# Altium PCB OTPCB.PcbDoc (part 2 of 3) (continued)
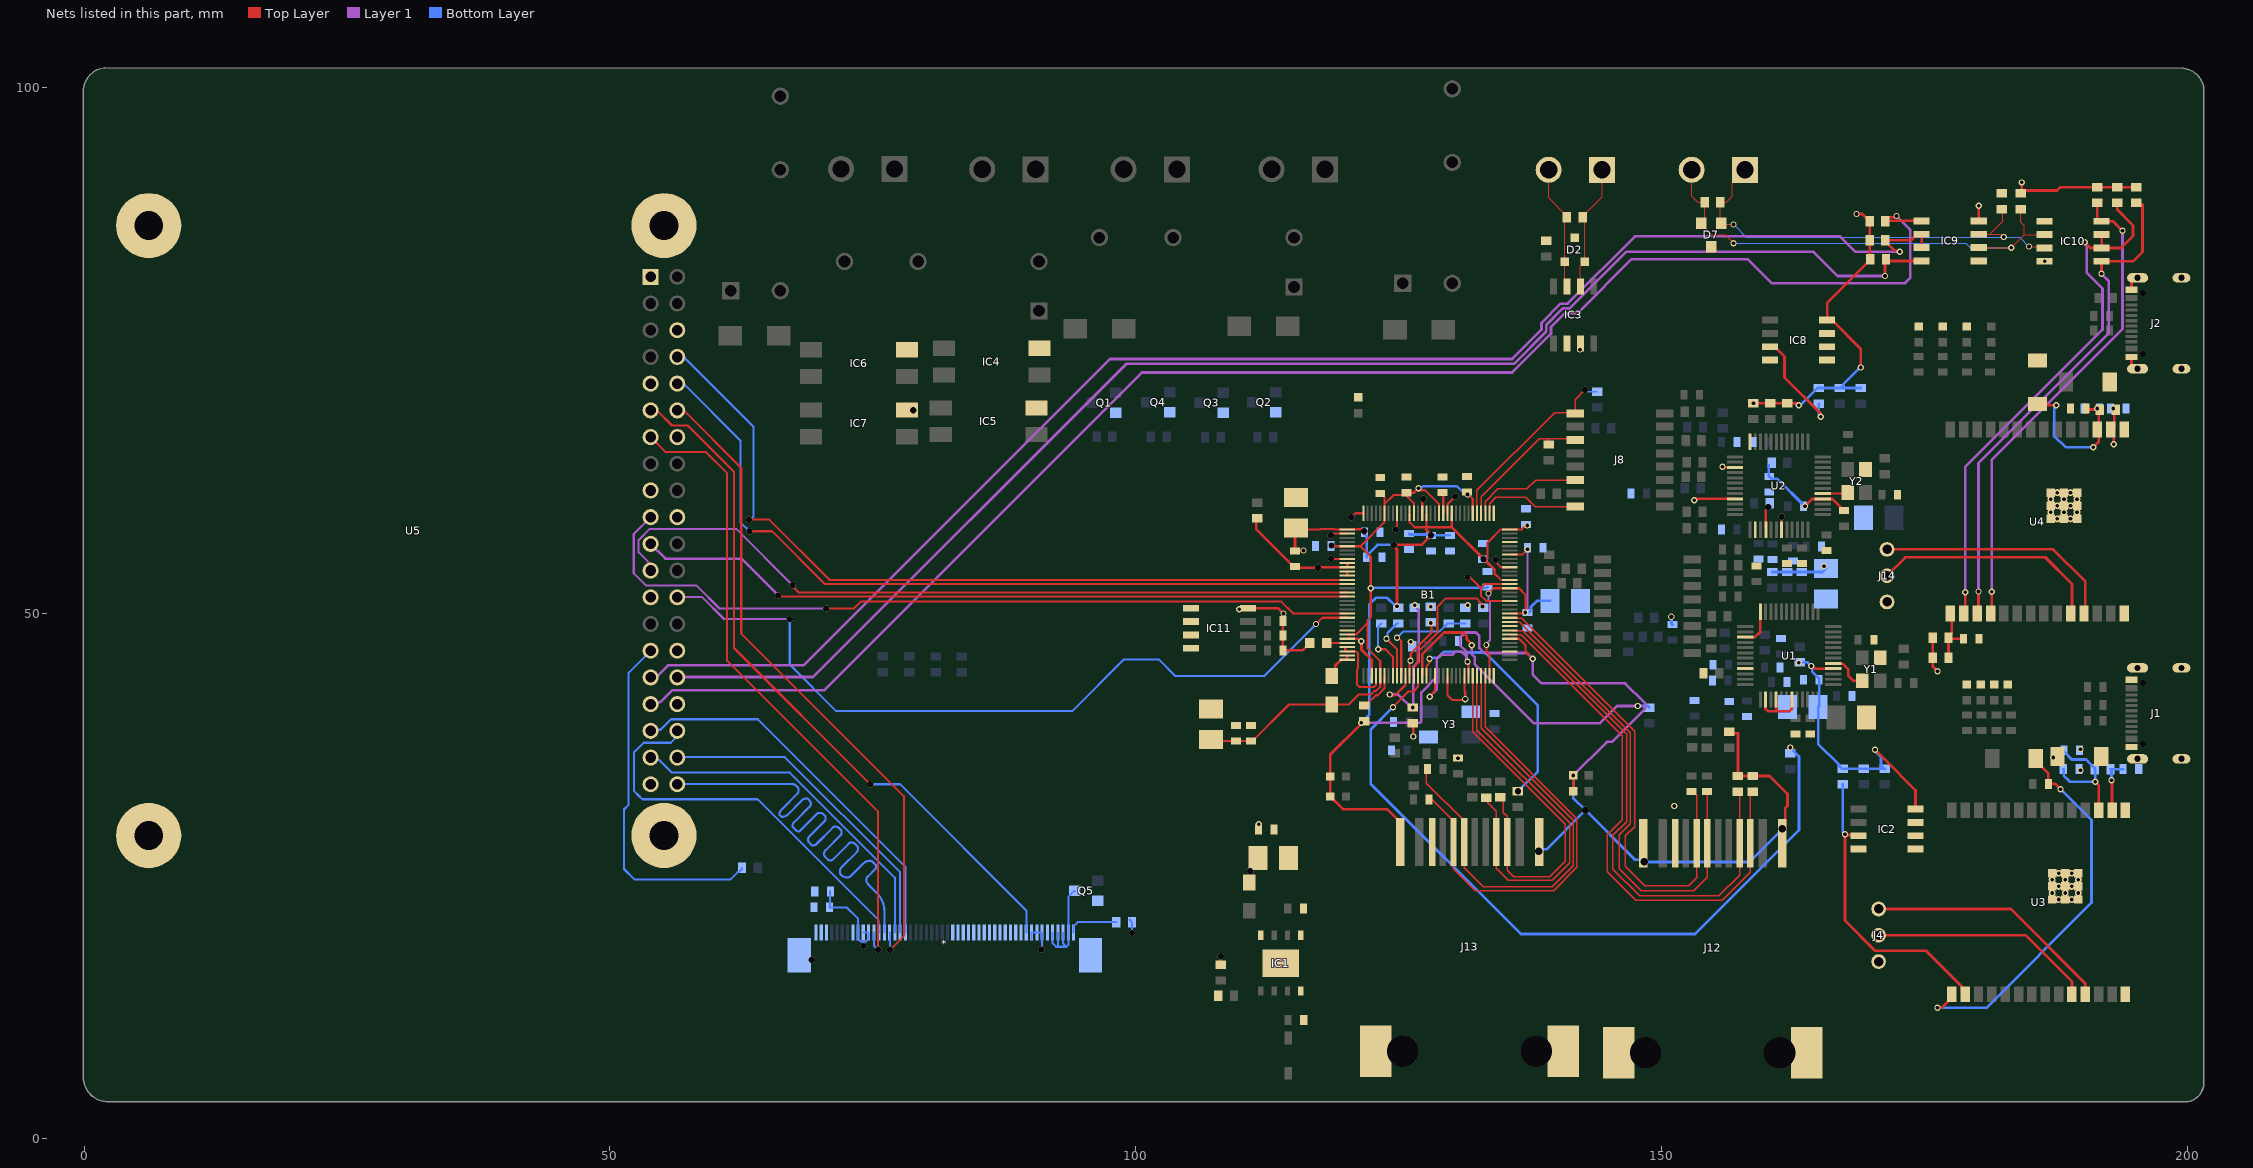
[diagram p4: the nets of this part, all layers, seen from the top]
## Nets (pads, with @x,y where several pads share a name; then routed paths per layer and width w, separated by ;. In a path a pad name is that pad's centre, name@x,y a point inside that pad or via, vN(x,y) a via of type N, cw(c..) or ccw(c..) an arc to the next point about the centre after c; other vN are vias at no path point) (continued)
  Bottom Layer w0.2: C79.1@70.94,23.57 70.94,22.07 C80.1@70.9,22.03 70.93,22 72.554,22 73.61,20.944 *.42@73.61,19.639 73.61,19.039 73.87,18.78 74.11,18.78 ; *.41@74.108,19.642 *.41@74.108,19.642 *.40@74.61,19.64 74.61,19.04 74.35,18.78 74.11,18.78 ; v2(74.12,18.35) 74.11,18.36 74.11,18.78 ; *.9@90.11,19.04 *.9@90.11,19.64 *.8@90.61,19.64 *.7@91.11,19.64 91.11,18.09 v2(91.03,18.01) ; R102.2@99.42,20.86 R102.2@99.66,20.62 v2(99.66,19.59)
  Bottom Layer w0.254: R19.2@160.216,64.066 160.216,63.056 C37.1@160.266,63.006 160.474,62.798 161.009,62.798 163.641,60.166 v1(163.666,60.166) ; R18.2@160.566,53.916 R23.2@161.966,53.916 R26.2@163.366,53.916 165.316,53.916 C74.1@165.666,54.266 ; v1(163.066,45.291) 163.091,45.316 163.911,45.316 164.261,44.966 v1(164.266,44.966) 164.352,44.881 164.352,44.456 165.006,43.801 165.006,41.156 C36.1@164.916,41.066 164.916,37.566 166.893,35.589 166.893,35.489 167.166,35.216 R10.1@167.266,35.216 R8.1@171.166,35.216 ; v1(163.066,69.766) 163.152,69.852 163.302,69.852 164.866,71.416 R87.1@164.966,71.416 R85.1@166.966,71.416 R85.1@167.066,71.416 ; v1@168.916,73.366 167.339,71.789 167.339,71.689 R85.1@167.066,71.416 ; R84.1@168.966,71.416 R85.1@167.066,71.416 ; v1(170.319,37.014) 170.319,36.893 170.893,36.319 170.893,35.489 R8.1@171.166,35.216 ; R8.1@171.266,35.216 R8.1@171.166,35.216 ; v1(192.816,34.116) 192.816,35.066 R43.1@192.716,35.166 C10.2@193.926,35.166
  other v1: 111.714,29.916 126.166,47.266 109.866,50.366 165.466,54.466 192.966,69.466 142.266,75.066 186.454,83.461
  other v2: 117.341,54.316
CAN_N: D2.2 IC3.6 J3.1 R11.1 | length 12.1
  Top Layer w0.077: IC3.6@142.301,81.078 142.301,83.006 D2.2@142.716,83.421 142.716,87.466 R11.1@142.516,87.666 142.516,87.766 144.366,89.616 J3.1@144.366,92.166
CAN_P: D2.1 IC3.7 J3.2 R11.2 | length 12
  Top Layer w0.077: J3.2@139.286,92.166 139.286,89.496 141.016,87.766 R11.2@141.016,87.666 140.816,87.466 D2.1@140.816,83.421 140.816,81.293 IC3.7@141.031,81.078
DS_CLK: *.37 U5.40 | length 54.7
  Bottom Layer w0.2: U5.40@56.97,33.77 67.221,33.77 cw(c67.221,32.951) 67.8,33.53 cw(c67.438,33.168) 67.95,33.168 67.95,33.12 cw(c67.515,33.12) 67.823,32.813 66.335,31.325 ccw(c66.83,30.83) 66.13,30.83 66.281,30.679 ccw(c66.4,30.799) 66.4,30.63 ccw(c66.4,31.354) 66.912,30.842 68.28,32.21 cw(c68.69,31.8) 68.69,32.38 68.7,32.38 cw(c68.7,32.139) 68.871,32.309 69,32.18 cw(c68.71,31.89) 69.12,31.89 cw(c68.685,31.89) 68.993,31.583 67.537,30.127 ccw(c67.964,29.7) 67.36,29.7 67.36,29.69 67.424,29.626 67.477,29.573 67.792,29.278 67.9,29.22 ccw(c67.9,29.486) 68.088,29.298 69.7,30.91 cw(c69.917,30.693) 69.917,31 70.02,31 cw(c70.02,30.59) 70.31,30.88 70.45,30.74 cw(c70.281,30.571) 70.52,30.571 70.52,30.45 cw(c70.182,30.45) 70.421,30.211 68.991,28.781 ccw(c69.333,28.44) 68.85,28.44 ccw(c69.212,28.44) 68.956,28.184 69.16,27.98 ccw(c69.305,28.125) 69.305,27.92 69.4,27.92 ccw(c69.4,28.21) 69.605,28.005 71.201,29.601 cw(c71.44,29.362) 71.44,29.7 cw(c71.44,29.169) 71.816,29.544 71.96,29.4 cw(c71.743,29.183) 72.05,29.183 72.05,29.09 cw(c71.809,29.09) 71.979,28.919 70.518,27.458 ccw(c70.877,27.1) 70.37,27.1 ccw(c70.805,27.1) 70.497,26.793 70.71,26.58 ccw(c70.951,26.821) 70.951,26.48 71,26.48 ccw(c71,26.746) 71.188,26.558 72.714,28.084 cw(c72.97,27.828) 72.97,28.19 cw(c72.97,27.683) 73.328,28.042 73.528,27.842 cw(c73.306,27.62) 73.62,27.62 cw(c73.137,27.62) 73.479,27.279 72.06,25.86 ccw(c72.469,25.45) 71.89,25.45 71.89,25.376 ccw(c72.266,25.376) 72,25.11 ccw(c72.579,25.689) 72.579,24.87 72.6,24.87 ccw(c72.6,25.329) 72.924,25.004 74.123,26.203 cw(c74.72,25.605) 74.72,26.45 cw(c74.72,26.064) 74.993,26.337 75.23,26.1 cw(c75.013,25.883) 75.32,25.883 75.32,25.73 74.517,24.927 ccw(c74.825,24.62) 74.39,24.62 ccw(c74.921,24.62) 74.546,24.244 75.366,23.424 cw(c73.57,21.628) 76.11,21.628 *.37@76.11,19.64
DS_CS: *.38 U5.36 | length 38.8
  Bottom Layer w0.2: U5.36@56.97,38.85 55.793,37.673 53.998,37.673 53.994,37.678 53.876,37.678 53.217,37.678 52.751,37.212 52.285,36.746 52.285,36.008 52.287,36.006 52.287,34.153 52.287,33.103 52.776,32.614 53.09,32.3 64.06,32.3 75.56,20.8 75.56,19.69 *.38@75.61,19.64
DS_DC_WRX: *.36 U5.12 | length 62.2
  Top Layer w0.2: U5.12@56.97,69.33 62.5,63.8 62.5,48.05 77.96,32.59 77.96,19.29 v2(76.66,17.99)
  Bottom Layer w0.2: *.36@76.61,19.64 76.635,19.615 76.635,18.015 v2(76.66,17.99)
DS_LED: R104.2 U5.29 | length 34
  Bottom Layer w0.2: U5.29@53.877,46.43 51.79,44.343 51.79,31.772 51.351,31.333 51.351,26.748 51.351,25.669 52.36,24.66 61.46,24.66 62.17,25.37 62.27,25.37 62.57,25.67 R104.2@62.57,25.77
DS_MISO: *.33 U5.35 | length 36.2
  Bottom Layer w0.2: U5.35@54.43,38.85 54.43,38.853 54.489,38.912 54.822,38.912 55.822,39.912 64.078,39.912 78.11,25.88 *.33@78.11,19.64
DS_MOSI: *.34 U5.38 | length 30.9
  Bottom Layer w0.2: U5.38@56.97,36.31 66.65,36.31 77.61,25.35 *.34@77.61,19.64
DS_RDX: *.35 U5.37 | length 32.8
  Bottom Layer w0.2: U5.37@54.43,36.31 54.43,36.076 54.489,36.017 54.723,36.017 55.908,34.832 67.118,34.832 77.11,24.84 *.35@77.11,19.64
DS_RES: *.10 U5.11 | length 66.8
  Top Layer w0.2: U5.11@54.43,69.33 55.908,67.852 57.41,67.852 61.81,63.452 61.81,46.69 v2(74.774,33.726)
  Bottom Layer w0.2: v2(74.774,33.726) 77.604,33.726 89.61,21.72 *.10@89.61,19.64
DS_TE: *.39 U5.13 | length 61.8
  Top Layer w0.2: U5.13@53.877,66.75 55.315,65.312 59.148,65.312 61.16,63.3 61.16,45.46 75.52,31.1 v2(75.52,17.98) ; U5.13@54.43,66.79 U5.13@54.454,66.766
  Bottom Layer w0.2: *.39@75.11,19.64 75.11,18.39 v2(75.52,17.98)
ESP_BOOT: C60.2 R45.2 R109.2 U4.15 | length 5.7
  Top Layer w0.254: R109.2@177.316,45.766 177.316,47.466 R45.2@177.416,47.566 ; U4.15@177.626,49.961 177.626,48.076 177.316,47.766 R45.2@177.316,47.666 R45.2@177.416,47.566 ; C60.2@178.726,47.566 R45.2@177.416,47.566
ESP_BOOT1: C7.2 S2.1 U3.15 | length 37.2
  Top Layer w0.254: v1(176.266,12.466) 176.631,12.466 177.626,13.461 U3.15@177.626,13.761 ; S2.1@185.616,36.166 185.616,35.941 186.806,34.751 C7.2@186.806,33.766 187.466,33.766 v1(187.966,33.266)
  Bottom Layer w0.254: v1(176.266,12.466) 180.924,12.466 190.92,22.463 190.92,30.312 v1(187.966,33.266)
ESP_EN: C65.2 C73.2 R107.2 S4.1 U4.3 | length 14.2
  Top Layer w0.254: S4.1@185.766,69.891 185.891,69.766 v1(187.566,69.766) ; C73.2@190.406,69.466 190.506,69.366 R107.2@191.716,69.366 191.596,69.246 191.596,67.461 191.596,66.296 v1(191.066,65.766)
  Bottom Layer w0.254: v1(187.566,69.766) 187.366,69.566 187.366,66.866 188.466,65.766 v1(191.066,65.766)
  other v1: 191.466,69.466
ESP_EN1: C6.2 C58.2 R43.2 S1.1 U3.3 | length 13
  Top Layer w0.254: v1(191.266,33.966) 191.596,33.636 U3.3@191.596,31.261
  Bottom Layer w0.254: v1(187.266,36.266) 187.746,36.746 188.078,36.746 C6.2@188.286,36.954 ; C58.2@188.226,35.166 188.266,35.126 188.266,34.566 188.866,33.966 v1(191.266,33.966) 191.266,35.116 R43.2@191.216,35.166 191.216,35.266 190.401,36.081 189.036,36.081 188.286,36.831 C6.2@188.286,36.954 ; C6.2@188.286,36.966 C6.2@188.286,36.954
ESP_RXD1: J4.2 U3.24 | length 21.4
  Top Layer w0.254: J4.2@170.666,19.366 184.666,19.366 189.056,14.976 U3.24@189.056,13.761
ESP_RXD2: J14.2 U4.24 | length 22.2
  Top Layer w0.254: J14.2@171.466,53.566 173.166,55.266 173.166,55.318 186.515,55.318 189.066,52.766 189.066,49.971 U4.24@189.056,49.961
ESP_TXD1: J4.1 U3.25 | length 23.6
  Top Layer w0.254: J4.1@170.666,21.866 183.242,21.866 190.304,14.804 190.304,13.784 U3.25@190.326,13.761
ESP_TXD2: J14.1 U4.25 | length 23.2
  Top Layer w0.254: J14.1@171.466,56.066 187.266,56.066 190.326,53.006 U4.25@190.326,49.961
ETH0_R_N: B1.94 C64.2 J13.P8 | length 43.2
  Top Layer w0.133: C64.2@127.775,32.263 128.21,32.263 130.236,30.236 J13.P8@130.236,28.241 130.236,25.696 132.311,23.622 139.767,23.622 141.961,25.816 141.961,30.459 133.243,39.178 133.243,44.005 B1.94@133.266,44.028
ETH0_R_P: B1.93 C67.2 J13.P7 | length 44.5
  Top Layer w0.133: C67.2@127.666,35.218 127.666,33.826 131.256,30.236 J13.P7@131.256,28.241 131.256,25.801 132.641,24.417 133.083,23.975 139.621,23.975 141.608,25.962 141.608,30.313 132.89,39.031 132.89,44.005 B1.93@132.866,44.028
ETH0_T_N: B1.92 J13.P4 R96.2 | length 36.6
  Top Layer w0.133: B1.92@132.466,44.028 132.466,38.888 141.275,30.079 141.275,26.25 139.634,24.609 135.45,24.609 134.316,25.742 J13.P4@134.316,28.241 134.316,31.141 133.491,31.966 133.491,32.291 R96.2@133.341,32.441
ETH0_T_P: B1.91 J13.P3 R100.1 | length 34.8
  Top Layer w0.133: B1.91@132.066,44.028 132.066,38.709 140.85,29.925 140.85,26.425 139.516,25.091 139.516,25.068 139.39,24.941 135.966,24.941 135.336,25.571 J13.P3@135.336,28.241 135.336,30.696 134.991,31.041 134.991,32.191 R100.1@134.691,32.491
ETH1_R_N: B1.107 C63.2 J12.P8 | length 46
  Top Layer w0.133: B1.107@135.604,49.566 135.638,49.533 136.725,49.533 147.466,38.791 147.466,29.691 146.591,28.816 146.591,25.916 148.416,24.091 152.616,24.091 153.361,24.836 J12.P8@153.361,28.116 153.361,32.666 153.001,33.026 C63.2@152.866,33.026 152.849,33.009 C63.2@152.849,32.899
ETH1_R_P: B1.106 C66.2 J12.P7 | length 47.4
  Top Layer w0.133: B1.106@135.604,49.166 B1.106@136.216,49.166 ; B1.106@136.216,49.133 136.542,49.133 147.064,38.611 147.064,29.973 146.016,28.925 146.016,25.691 148.111,23.597 153.071,23.597 154.381,24.906 J12.P7@154.381,28.116 154.381,33.011 C66.2@154.341,33.051 ; C66.2@154.206,33.051 C66.2@154.341,33.051 ; C66.2@154.476,33.051 C66.2@154.341,33.051
ETH1_T_N: B1.104 J12.P4 R95.2 | length 50.5
  Top Layer w0.133: B1.104@135.604,48.366 135.638,48.333 136.842,48.333 146.7,38.475 146.7,30.175 145.391,28.866 145.391,25.666 147.941,23.116 155.466,23.116 157.441,25.091 J12.P4@157.441,28.116 157.441,32.716 R95.2@157.141,33.016
ETH1_T_P: B1.103 J12.P3 R98.1 | length 51.8
  Top Layer w0.133: B1.103@135.604,47.966 136.664,47.966 146.3,38.33 146.3,30.35 144.866,28.916 144.866,25.416 147.591,22.691 155.816,22.691 158.461,25.336 J12.P3@158.461,28.116 158.461,32.786 R98.1@158.691,33.016
GND: *.6 *.11 *.12 *.13 *.14 *.15 *.16 *.17 *.18 *.19 *.20 *.21 *.22 *.23 *.24 *.43 *.48 *.49 *.50 *.51 *.52 B1.1 B1.12 B1.18 B1.24 B1.32 B1.34 B1.40 B1.43 B1.44 B1.57 B1.61 B1.62 B1.68 B1.85 B1.89 B1.96 B1.99 B1.105 B1.111 B1.115 B1.119 B1.125 C1.1 C2.1 C3.2 C4.1 C6.1 C9.1 C10.1 C11.2 C12.2 C13.2 C14.2 C15.2 C16.2 C17.2 C18.2 C19.2 C20.2 C21.2 C22.2 C23.2 C24.2 C25.2 C26.2 C27.2 C28.2 C29.2 C30.2 C31.2 C32.2 C33.2 C34.2 C35.2 C36.2 C37.2 C38.2 C39.2 C40.2 C41.2 C42.2 C43.2 C44.2 C45.2 C46.2 C47.2 C48.2 C49.2 C50.2 C51.2 C56.2 C57.2 C58.1 C59.2 C60.1 C61.2 C62.1 C65.1 C68.2 C69.2 C70.2 C71.2 C72.2 C73.1 C74.2 C75.2 C76.2 C77.2 C78.2 C79.2 C80.2 D2.3 D7.3 IC1.4 IC1.5 IC1.8 IC1.9 IC2.4 IC2.5 IC2.6 IC2.7 IC3.2 IC4.2 IC5.2 IC6.2 IC7.2 IC8.4 IC8.5 IC8.6 IC8.7 IC9.5 IC10.5 IC11.1 IC11.2 IC11.3 IC11.4 J1.A1_B12 J1.B1_A12 J1.S1 J1.S2 J1.S3 J1.S4 J2.A1_B12 J2.B1_A12 J2.S1 J2.S2 J2.S3 J2.S4 J4.3 J12.P10 J12.SH1 J12.SH2 J13.P10 J13.SH1 J13.SH2 J14.3 LED1.1 LED2.1 LED3.1 LED4.1 LED5.1 LED11.1 LED12.1 LED13.1 Q1.2 Q2.2 Q3.2 Q4.2 Q5.2 R7.2 R14.2 R33.2 R34.2 R63.1 R67.1 R70.1 R73.1 R103.2 S1.2 S3.2 S4.2 U1.3 U1.9 U1.14 U1.16 U1.19 U1.29 U1.48 U2.3 U2.9 U2.14 U2.16 U2.19 U2.29 U2.48 U3.1 U3.28 U3.29_1 U3.29_2 U3.29_3 U3.29_4 U3.29_5 U3.29_6 U3.29_7 U3.29_8 U3.29_9 U3.30_1 U3.30_2 U3.30_3 U3.30_4 U3.30_5 U3.30_6 U3.30_7 U3.30_8 U3.30_9 U3.30_10 U3.30_11 U3.30_12 U4.1 U4.28 U4.29_1 U4.29_2 U4.29_3 U4.29_4 U4.29_5 U4.29_6 U4.29_7 U4.29_8 U4.29_9 U4.30_1 U4.30_2 U4.30_3 U4.30_4 U4.30_5 U4.30_6 U4.30_7 U4.30_8 U4.30_9 U4.30_10 U4.30_11 U4.30_12 U5.6 U5.9 U5.14 U5.20 U5.25 U5.30 U5.34 U5.39 U5.S1 U5.S2 U5.S3 U5.S4 Y1.2 Y1.4 Y2.2 Y2.4 Y3.2 Y3.4 | length 63.5
  Top Layer w0.2: v2(118.566,57.416) 118.674,57.416 118.824,57.566 B1.34@120.128,57.566 ; v2(118.591,55.166) B1.40@120.128,55.166 ; B1.61@119.941,46.739 119.941,46.366 B1.62@120.128,46.366 120.99,46.366 121.166,46.191 121.166,44.766 121.041,44.641 121.041,43.216 121.267,42.991 122.691,42.991 122.866,43.167 B1.68@122.866,44.028 ; B1.44@120.128,53.566 B1.43@120.128,53.966 ; v2(120.516,59.116) 120.904,59.504 B1.32@121.666,59.504 ; v2(124.75,57.95) 124.75,58.058 124.866,58.174 B1.24@124.866,59.504 ; B1.18@127.266,59.504 127.266,60.683 127.366,60.783 v2(127.366,60.891) ; B1.85@129.666,44.028 129.666,42.184 130.1,41.75 131.275,41.75 v4(131.35,41.825) 131.35,42.562 131.266,42.646 B1.89@131.266,44.028 ; B1.12@129.666,59.504 129.666,60.366 130.391,61.091 v2(130.416,61.091) ; v2(131.566,53.441) 131.799,53.441 132.841,52.399 ; v2(134.241,55.091) 134.241,54.868 134.742,54.366 B1.119@135.604,54.366 ; B1.111@135.604,51.166 133.391,51.166 133.341,51.216 133.297,51.216 132.841,51.672 132.841,52.399 ; B1.115@135.604,52.766 133.208,52.766 132.841,52.399 ; U2.16@159.936,57.936 159.936,59.753 160.166,59.983 v2(160.166,60.091) ; v2@161.341,59.266 v2(161.436,59.171) U2.19@161.436,57.936 ; U2.29@165.366,61.366 167.616,61.366 Y2.4@167.716,61.466 ; U4.29_5@188.491,60.291 188.416,60.216 U4.29_5@188.566,60.066
  Top Layer w0.254: R67.1@126.375,39.525 126.4,39.5 v1(126.4,38.275) ; v1(153.141,60.741) 153.262,60.741 153.387,60.866 U2.9@157.006,60.866 ; v1@155.766,63.966 155.866,63.866 U2.3@157.006,63.866 ; U1.3@157.986,47.716 158.899,47.716 159.416,48.233 U1.48@159.416,50.146 ; U1.14@159.916,41.786 159.916,40.904 160.141,40.679 161.065,40.679 ; U1.16@160.916,41.786 160.929,41.773 160.929,40.815 161.065,40.679 ; U1.19@162.416,41.786 162.403,41.773 162.403,40.891 162.192,40.679 161.065,40.679 ; U1.29@166.346,45.216 166.359,45.203 167.242,45.203 167.764,44.681 167.764,44.069 168.266,43.566 Y1.4@169.116,43.566 ; Y2.4@167.666,61.416 Y2.4@167.716,61.466 ; U3.29_5@188.754,24.025 188.902,23.876 U3.30_4@188.902,23.827 ; U4.29_2@189.618,60.2 189.618,60.264 U4.29_2@189.666,60.216 ; J2.A1_B12@194.716,74.366 194.716,73.54 195.015,73.241 J2.S1@195.296,73.241 ; J2.B1_A12@194.716,80.766 194.716,81.593 195.015,81.891 J2.S2@195.296,81.891
  Bottom Layer w0.254: v4@150.966,49.566 150.966,49.006 C50.2@151.066,48.906
  other v1: 151.216,31.666 189.866,35.066 130.666,36.206 189.866,37.066 128.066,50.616 131.601,50.751 155.816,63.916
  other v2: 69.216,17.041 78.86,69.3
  other v4: 150.941,49.666
LM75NT1: IC8.3 R87.2 | length 10.2
  Top Layer w0.254: IC8.3@160.354,75.331 160.792,75.331 161.712,74.411 161.712,72.42 165.166,68.966 v1(165.166,68.666)
  Bottom Layer w0.254: R87.2@164.966,69.916 164.966,68.987 165.166,68.787 v1(165.166,68.666)
LM75NT2: IC2.3 R10.2 U3.16 | length 28.9
  Top Layer w0.254: IC2.3@168.754,28.831 168.687,28.899 167.534,28.899 v1(167.466,28.966) 167.466,20.766 170.339,17.893 175.157,17.893 178.573,14.477 178.573,14.084 U3.16@178.896,13.761
  Bottom Layer w0.254: R10.2@167.266,33.716 167.266,29.166 v1(167.466,28.966)
MAX_CTRL1: IC10.2 IC10.3 R90.2 U4.16 | length 51.9
  Top Layer w0.254: U4.16@178.896,49.961 v1(178.896,51.996) v1@178.966,52.066 ; v1(190.266,85.266) 190.801,84.731 IC10.2@191.878,84.731 ; IC10.3@191.878,86.001 IC10.2@191.878,84.731 ; R90.2@193.366,89.016 193.366,88.366 194.866,86.866 194.866,85.866 193.731,84.731 IC10.2@191.878,84.731
  Layer 1 w0.254: v1(178.896,51.996) 178.896,63.896 191.966,76.966 191.966,80.866 190.466,82.366 190.466,85.066 v1(190.266,85.266)
MAX_CTRL2: IC9.2 IC9.3 R89.2 U5.31 | length 143.4
  Top Layer w0.254: v1(172.666,84.366) 172.581,84.452 172.231,84.452 171.316,85.366 R89.2@171.316,85.466 173.759,85.466 174.329,86.036 IC9.2@174.766,86.036 IC9.3@174.766,84.766
  Layer 1 w0.254: U5.31@54.43,43.93 55.537,45.037 68.436,45.037 69.366,45.966 97.566,74.166 135.809,74.166 138.602,76.96 138.602,77.602 140.429,79.428 141.071,79.428 147.486,85.843 166.989,85.843 168.466,84.366 v1(172.666,84.366)
MAX_RX1: IC10.4 R93.2 U4.18 | length 46
  Top Layer w0.254: U4.18@181.436,49.961 v1(181.436,52.036) v1@181.466,52.066 ; R93.2@191.466,89.016 191.466,87.469 191.664,87.271 IC10.4@191.878,87.271 192.961,87.271 v1(193.866,86.366)
  Layer 1 w0.254: v1(181.436,52.036) 181.436,64.594 193.866,77.024 v1(193.866,86.366)
MAX_RX2: IC9.4 R92.2 U5.32 | length 137.2
  Top Layer w0.254: v1(171.266,82.066) 171.266,83.293 171.469,83.496 IC9.4@174.766,83.496
  Layer 1 w0.254: U5.32@56.97,43.93 69.33,43.93 99.112,73.712 135.997,73.712 139.056,76.772 139.056,77.414 140.617,78.974 141.259,78.974 146.651,84.366 164.466,84.366 166.766,82.066 v1(171.266,82.066)
MAX_TX1: IC10.1 R88.2 U4.17 | length 48.4
  Top Layer w0.254: U4.17@180.166,49.961 v1(180.166,52.066) ; v1(191.866,82.266) 191.866,83.449 IC10.1@191.878,83.461 194.861,83.461 195.766,84.366 195.766,88.866 195.316,88.866 R88.2@195.166,89.016
  Layer 1 w0.254: v1(180.166,52.066) 180.166,64.266 192.566,76.666 192.566,81.566 v1(191.866,82.266)
MAX_TX2: IC9.1 R86.2 U5.33 | length 149.5
  Top Layer w0.254: v1(172.366,87.766) 172.246,87.766 172.119,87.639 171.589,87.639 171.316,87.366 R86.2@171.316,87.266 171.356,87.306 IC9.1@174.766,87.306
  Layer 1 w0.254: U5.33@54.43,41.39 54.43,41.504 54.464,41.538 54.798,41.538 55.926,42.666 70.366,42.666 100.59,72.89 135.816,72.89 139.51,76.584 139.51,77.226 140.805,78.52 142.02,78.52 147.161,83.661 158.218,83.661 160.49,81.389 173.189,81.389 173.666,81.866 173.666,86.466 v1(172.366,87.766)
Net*_1: *.1 R102.1 | length 4.8
  Bottom Layer w0.2: *.1@94.108,19.642 94.108,20.242 94.486,20.62 R102.1@98.16,20.62
Net*_2: *.2 *.3 *.4 *.5 Q5.3 | length 11.1
  Bottom Layer w0.2: *.5@92.11,19.64 92.11,18.61 92.45,18.27 ; *.4@92.61,19.64 92.61,18.43 92.45,18.27 ; *.3@93.11,19.64 93.11,18.58 93.42,18.27 ; Q5.3@94.22,23.59 94.17,23.59 93.61,23.03 *.2@93.61,19.64 93.61,18.46 93.42,18.27 ; 92.45,18.27 93.42,18.27
NetB1_2: B1.2 J8.16 | length 9.7
  Top Layer w0.133: B1.2@133.666,59.504 133.666,60.416 134.266,61.016 137.116,61.016 138.011,60.121 J8.16@141.801,60.121
NetB1_3: B1.3 J8.14 | length 10.5
  Top Layer w0.133: B1.3@133.266,59.504 B1.3@133.266,59.691 ; B1.3@133.291,59.716 B1.3@133.266,59.691 ; J8.14@141.801,62.661 138.067,62.661 137.216,61.811 134.46,61.811 133.266,60.616 B1.3@133.266,59.691
NetB1_4: B1.4 J8.11 R61.2 | length 13.4
  Top Layer w0.133: B1.4@132.866,59.504 132.866,61.066 138.391,66.591 139.266,66.591 ; R61.2@139.316,66.041 139.266,66.091 139.266,66.591 ; J8.11@141.801,66.471 141.681,66.591 139.266,66.591
NetB1_5: B1.5 J8.9 R62.1 | length 18.5
  Top Layer w0.133: B1.5@132.466,59.504 132.466,61.666 139.866,69.066 141.746,69.066 J8.9@141.801,69.011 141.801,69.066 141.801,70.301 v2(142.741,71.241)
  Bottom Layer w0.133: v2(142.741,71.241) 142.868,71.241 143.043,71.066 R62.1@143.916,71.066
NetB1_6: B1.6 B1.14 B1.20 B1.27 B1.37 B1.58 B1.69 B1.95 B1.108 B1.114 B1.122 C27.1 C28.1 C29.1 C30.1 C31.1 C32.1 C33.1 C35.1 C75.1 C76.1 C78.1 L2.2 | length 97
  Top Layer w0.2: C78.1@107.166,37.966 107.306,37.826 C75.1@109.566,37.826 C76.1@110.966,37.826 111.101,37.826 114.591,41.316 L2.2@118.666,41.316 120.291,41.316 121.241,42.266 122.366,42.266 122.691,42.591 122.856,42.591 123.266,43.001 B1.69@123.266,44.028 123.266,45.266 123.274,45.274 123.274,45.44 122.05,46.663 122.05,49.026 ; v2(118.641,56.441) 118.716,56.366 B1.37@120.128,56.366 121.39,56.366 ; B1.58@120.12,47.966 B1.58@120.128,47.966 120.99,47.966 122.05,49.026 ; C31.1@123.266,61.401 123.401,61.401 123.636,61.166 123.636,61.031 123.666,61.001 123.666,60.366 ; B1.20@126.466,59.504 126.466,60.466 125.699,61.234 125.691,61.241 124.541,61.241 123.666,60.366 ; v1@126.918,61.64 126.97,61.691 127.541,61.691 128.866,60.366 B1.14@128.866,59.504 ; 131.866,61.066 132.066,60.866 B1.6@132.066,59.504 ; v1(133.366,46.966) 133.366,46.351 133.666,46.051 B1.95@133.666,44.028 ; v1(133.566,51.866) 134.066,52.366 B1.114@135.604,52.366 136.466,52.366 137.066,51.766 v1(137.066,50.066) ; B1.108@135.604,49.966 136.766,49.966 ; B1.122@135.604,55.566 136.766,55.566 v1(137.266,56.066) ; 121.39,56.366 122.366,55.39 122.366,49.619 122.05,49.303 122.05,49.026 ; 121.39,56.366 123.666,58.643 B1.27@123.666,59.504 123.666,60.366
  Top Layer w0.254: v2(118.641,56.441) 118.735,56.441 v2@118.81,56.366 ; C28.1@125.766,61.451 125.774,61.459 126.484,61.459 v1(126.916,61.891)
  Layer 1 w0.2: v1(133.366,46.966) 133.366,47.102 133.716,47.452 133.716,51.036 133.566,51.186 v1(133.566,51.866) ; 137.266,50.402 v1(137.266,56.066)
  Bottom Layer w0.2: v1@126.866,61.691 126.965,61.691 127.34,62.066 130.566,62.066 v1@131.566,61.066
  Bottom Layer w0.254: v1(122.366,52.366) 122.426,52.426 133.406,52.426 C29.1@133.466,52.486 ; v1(137.066,50.066) 137.411,50.066 137.609,50.264 137.609,50.609 138.166,51.166 C35.1@139.416,51.166
  other v1: 131.566,61.291
NetB1_11: B1.11 B1.17 B1.21 B1.33 B1.82 B1.90 B1.102 B1.116 B1.128 C39.1 C40.1 C41.1 C42.1 C43.1 C44.1 C45.1 C77.1 F3.2 J12.P1 J12.P12 J13.P1 J13.P12 LED6.2 LED7.2 LED8.2 LED9.2 R69.1 R78.1 R95.1 R98.2 R99.1 | length 191.2
  Top Layer w0.2: C77.1@115.266,58.116 115.416,57.966 117.573,57.966 117.623,58.016 118.879,58.016 118.929,57.966 B1.33@120.128,57.966 121.041,57.966 ; B1.21@126.066,59.504 126.066,58.643 126.542,58.166 127.666,58.166 ; 127.666,57.925 127.666,58.166 ; B1.17@127.666,59.504 127.666,58.166 ; v1(127.991,42.041) 127.991,42.117 128.466,42.592 128.466,43.288 B1.82@128.466,44.028 ; B1.11@130.066,59.504 130.066,58.266 129.966,58.166 127.666,58.166 ; v1(131.565,45.368) 131.565,45.259 131.666,45.158 B1.90@131.666,44.028 ; v2@133.285,54.986 133.466,55.166 133.466,56.69 134.742,57.966 B1.128@135.604,57.966 136.741,57.966 137.106,58.331 v1(137.241,58.331) ; 134.135,54.136 134.135,53.774 134.742,53.166 B1.116@135.604,53.166 ; B1.102@135.604,47.566 136.466,47.566 137.078,46.955 137.078,46.355 v1(137.766,45.666)
  Top Layer w0.254: C77.1@115.266,58.116 115.166,58.016 F3.2@115.166,55.906 115.196,55.936 115.936,55.936 v1(115.966,55.966) ; 121.041,57.966 121.473,57.966 121.648,57.791 v2(121.741,57.791) ; v1(121.466,39.566) 121.466,39.516 118.516,36.566 LED7.2@118.516,34.466 LED8.2@118.516,32.566 119.716,31.366 123.926,31.366 125.156,30.136 J13.P12@125.156,28.241 ; v1(124.866,50.666) 124.866,56.073 124.541,56.398 v2(124.541,56.491) 127.176,56.491 v2(128.091,57.406) 128.091,57.5 127.666,57.925 ; 130.066,58.266 130.066,58.205 133.285,54.986 134.135,54.136 ; v1(131.565,45.368) 131.565,45.247 v1@131.666,45.146 ; LED9.2@141.616,33.066 v1(141.616,34.566) ; R99.1@156.466,38.716 156.615,38.568 157.293,38.568 157.293,36.272 157.291,36.27 R95.1@157.291,34.516 R98.2@158.691,34.516 160.299,34.516 161.993,32.822 161.993,31.663 161.779,31.449 J12.P1@161.779,29.491
  Layer 1 w0.2: v1(127.991,42.041) 128.639,42.689 128.639,43.418
  Layer 1 w0.254: v1(121.466,39.566) 127.026,39.566 127.175,39.715 127.175,42.475 128.639,43.939 ; 128.639,43.418 128.639,43.939 ; 131.466,45.947 131.466,46.332 130.871,46.927 130.871,47.672 131.366,48.166 132.366,48.166 132.689,47.843 132.689,46.686 133.156,46.219 137.214,46.219 v1(137.766,45.666) 137.766,44.166 138.608,43.325 146.565,43.325 148.443,41.447 148.443,40.886 145.326,37.769 144.819,37.769 v1(141.616,34.566) ; v1(131.565,45.368) 131.48,45.453 131.48,45.86 130.997,46.343 130.436,46.343 130.136,46.043 129.036,46.043 128.639,45.647 128.639,43.939
  Bottom Layer w0.254: v1(121.466,39.566) 122.209,40.309 122.209,50.809 122.866,51.466 123.916,51.466 124.716,50.666 v1(124.866,50.666) ; v2(121.741,57.791) 121.741,57.566 121.976,57.331 C39.1@121.976,55.451 ; C39.1@121.976,55.316 C39.1@121.976,55.451 ; v2(124.541,56.491) 123.016,56.491 C39.1@121.976,55.451 ; C40.1@126.016,57.556 126.091,57.481 128.016,57.481 v2(128.091,57.406) C42.1@129.891,57.406 ; v3(138.341,27.341) 138.536,27.536 139.061,27.536 v3(142.791,31.266) ; v1(141.616,34.566) 141.616,32.441 v3(142.791,31.266) ; v3(161.516,29.491) 158.366,26.341 v3(148.366,26.341) 148.172,26.536 147.522,26.536 v3(142.791,31.266)
  other v2: 133.091,55.116
NetB1_13: B1.13 R63.2 | length 1.7
  Top Layer w0.2: B1.13@129.266,59.504 R63.2@129.266,61.226
NetB1_45: B1.45 U5.8 | length 77.8
  Top Layer w0.2: v2(63.227,58.893) 65.167,58.893 70.894,53.166 B1.45@120.128,53.166
  Bottom Layer w0.2: U5.8@56.97,74.41 63.666,67.714 63.666,59.166 63.393,58.893 v2(63.227,58.893)
NetB1_46: B1.46 U5.10 | length 75.6
  Top Layer w0.2: v2(63.28,57.79) 65.44,57.79 70.464,52.766 B1.46@120.128,52.766
  Bottom Layer w0.2: U5.10@56.97,71.87 62.42,66.42 62.42,58.65 v2(63.28,57.79)
NetB1_48: B1.48 U5.23 | length 74
  Top Layer w0.2: v2(67.37,52.66) 67.37,52.552 67.955,51.966 B1.48@120.128,51.966
  Layer 1 w0.2: U5.23@54.43,54.09 52.789,55.731 52.73,55.79 52.73,56.906 cw(c52.93,56.905) 52.738,56.96 53.798,58.02 62.01,58.02 v2(67.37,52.66)
NetB1_49: B1.49 U5.21 | length 68.3
  Top Layer w0.2: v2(66.02,51.68) 66.097,51.603 66.3,51.603 66.337,51.566 B1.49@120.128,51.566
  Layer 1 w0.254: U5.21@53.877,56.59 55.288,55.179 62.521,55.179 v2(66.02,51.68)
NetB1_53: B1.53 U5.19 | length 76
  Top Layer w0.2: v2(70.58,50.44) 73.205,50.44 73.862,51.096 113.855,51.096 114.985,49.966 B1.53@120.128,49.966
  Layer 1 w0.2: U5.19@53.877,59.13 52.28,57.533 52.28,53.79 53.458,52.612 58.258,52.612 60.43,50.44 v2(70.58,50.44)
NetB1_54: B1.54 U5.26 | length 75.2
  Top Layer w0.2: v1(117.166,48.966) 117.766,49.566 B1.54@120.128,49.566
  Layer 1 w0.2: U5.26@56.97,51.55 58.754,51.55 60.854,49.45 v2(67.11,49.45)
  Bottom Layer w0.2: v2(67.11,49.45) 67.11,45.12 71.55,40.68 93.97,40.68 98.9,45.61 102.2,45.61 103.8,44.01 112.21,44.01 v1(117.166,48.966)
NetB1_60: B1.60 R113.2 | length 2
  Top Layer w0.2: R113.2@118.166,47.166 B1.60@120.128,47.166
NetB1_63: B1.63 B1.64 L2.1 | length 2.9
  Top Layer w0.2: B1.64@120.128,45.566 B1.63@120.128,45.966
  Top Layer w0.254: L2.1@118.666,44.016 118.977,44.327 118.977,44.999 119.518,45.539 119.545,45.566 B1.64@120.128,45.566
NetB1_70: B1.70 R69.2 | length 3.8
  Top Layer w0.2: R69.2@121.766,41.216 121.866,41.216 122.516,41.866 122.532,41.866 122.856,42.191 123.022,42.191 123.666,42.835 B1.70@123.666,44.028
NetB1_72: B1.72 R77.2 | length 6.1
  Top Layer w0.2: v1(123.066,46.566) 123.766,46.566 124.466,45.866 B1.72@124.466,44.028
  Bottom Layer w0.2: v1(123.066,46.566) 123.066,48.716 R77.2@123.366,49.016
NetB1_73: B1.73 R78.2 | length 5.9
  Top Layer w0.2: v1(123.866,47.566) 124.866,46.566 B1.73@124.866,44.028
  Bottom Layer w0.2: v1(123.866,47.566) 123.962,47.662 123.962,48.112 124.866,49.016 R78.2@124.966,49.016
NetB1_74: B1.74 R70.2 R71.2 | length 10.9
  Top Layer w0.2: v1(124.866,47.666) 124.966,47.666 125.266,47.366 B1.74@125.266,44.028
  Bottom Layer w0.2: v1(124.866,47.666) 125.439,48.239 128.889,48.239 129.666,49.016 R71.2@129.766,49.016 R70.2@131.366,49.016
NetB1_75: B1.75 R67.2 R72.2 | length 16.1
  Top Layer w0.2: v1(124.166,42.266) 124.266,42.166 124.666,42.166 125.666,43.167 B1.75@125.666,44.028
  Layer 1 w0.254: v1(124.166,42.266) 124.966,42.266 126.366,40.866 126.366,40.923 126.423,40.979 126.423,44.879 126.925,45.382 126.925,50.314 126.566,50.673 v1(126.566,50.766)
  Bottom Layer w0.254: R72.2@126.566,50.516 v1(126.566,50.766)
  other v1: 126.375,41.025
NetB1_76: B1.76 R73.2 | length 6
  Top Layer w0.2: B1.76@126.066,44.028 126.066,45.409 v1(126.145,45.488) ; v1@126.166,45.466 126.166,46.166 128.166,48.166 128.166,48.431 128.162,48.436 128.162,48.971 v1(128.066,49.066)
NetB1_77: B1.77 R74.2 | length 12.6
  Top Layer w0.2: B1.77@126.466,44.028 126.466,44.89 126.839,45.263 126.839,46.274 128.716,48.151 128.716,50.616 129.501,51.401 132.432,51.401 132.622,51.211 132.622,51.152 133,50.773 v1(133,50.638)
NetB1_78: B1.78 R75.2 | length 71.3
  Top Layer w0.2: v1(124.491,41.066) 124.491,41.108 125.936,42.552 126.427,42.552 126.866,42.991 B1.78@126.866,44.028
  Bottom Layer w0.254: v1(124.491,41.066) 122.366,38.941 122.366,33.766 136.641,19.491 153.216,19.491 163.093,29.368 163.093,36.389 162.591,36.891 v1(162.266,37.216)
NetB1_79: B1.79 R76.2 | length 30
  Top Layer w0.2: B1.79@127.266,44.028 127.266,45.166
  Top Layer w0.254: 127.266,45.166 127.266,46.097 129.336,48.166 131.143,48.166 131.509,47.801 131.509,47.51 131.961,47.058 v1(131.961,46.938)
  Layer 1 w0.254: v1(131.961,46.938) 131.961,46.127 132.242,45.846 132.242,45.156 137.853,39.545 144.177,39.545 145.799,41.166 v1(147.766,41.166)
  Bottom Layer w0.254: v1(147.766,41.166) 148.716,41.166 R76.2@148.866,41.016
NetB1_80: B1.80 R66.2 | length 23.4
  Top Layer w0.2: B1.80@127.666,44.028 127.666,44.963 127.971,45.267 127.971,45.662 v1(127.963,45.67)
  Bottom Layer w0.254: v1(127.963,45.67) 128.044,45.752 128.744,45.752 129.336,46.343 130.997,46.343 131.079,46.261 132.241,46.261 132.247,46.266 133.224,46.266 138.256,41.234 138.256,34.956 v2(136.366,33.066)